# Altium PCB MEOWPOWER.PcbDoc
Units mm, origin at the board's own origin, x right, y up, seen from the top; angles counter-clockwise.
Board outline 100 x 100 mm, 2 copper layers (Top Layer, Bottom Layer), stack 1.135 mm thick; 58 components, 21 nets, 131 pads, 988 vias.
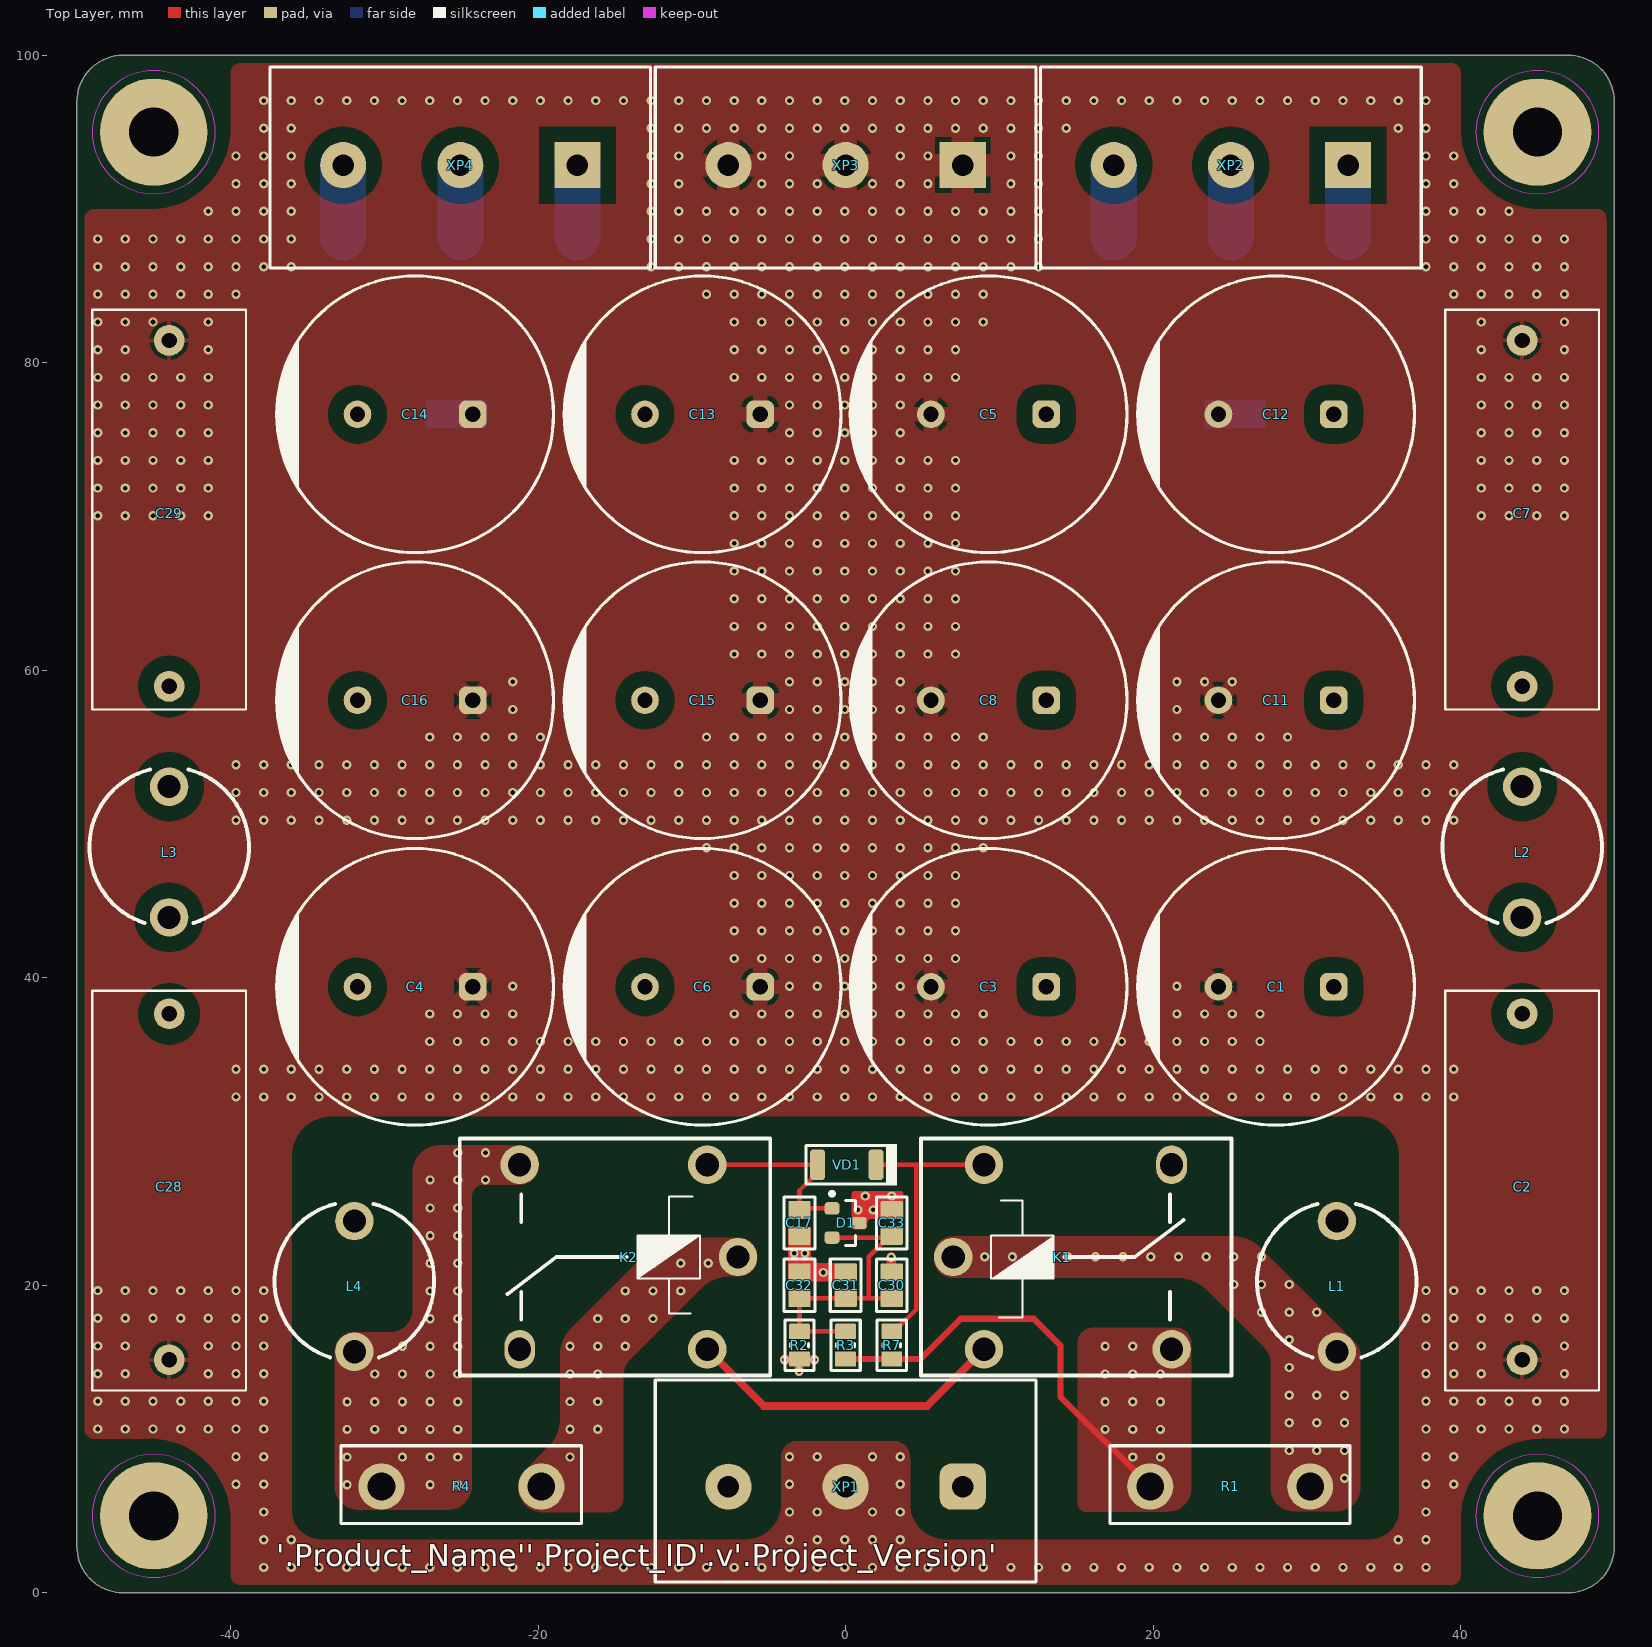
[diagram p0: Top Layer view]
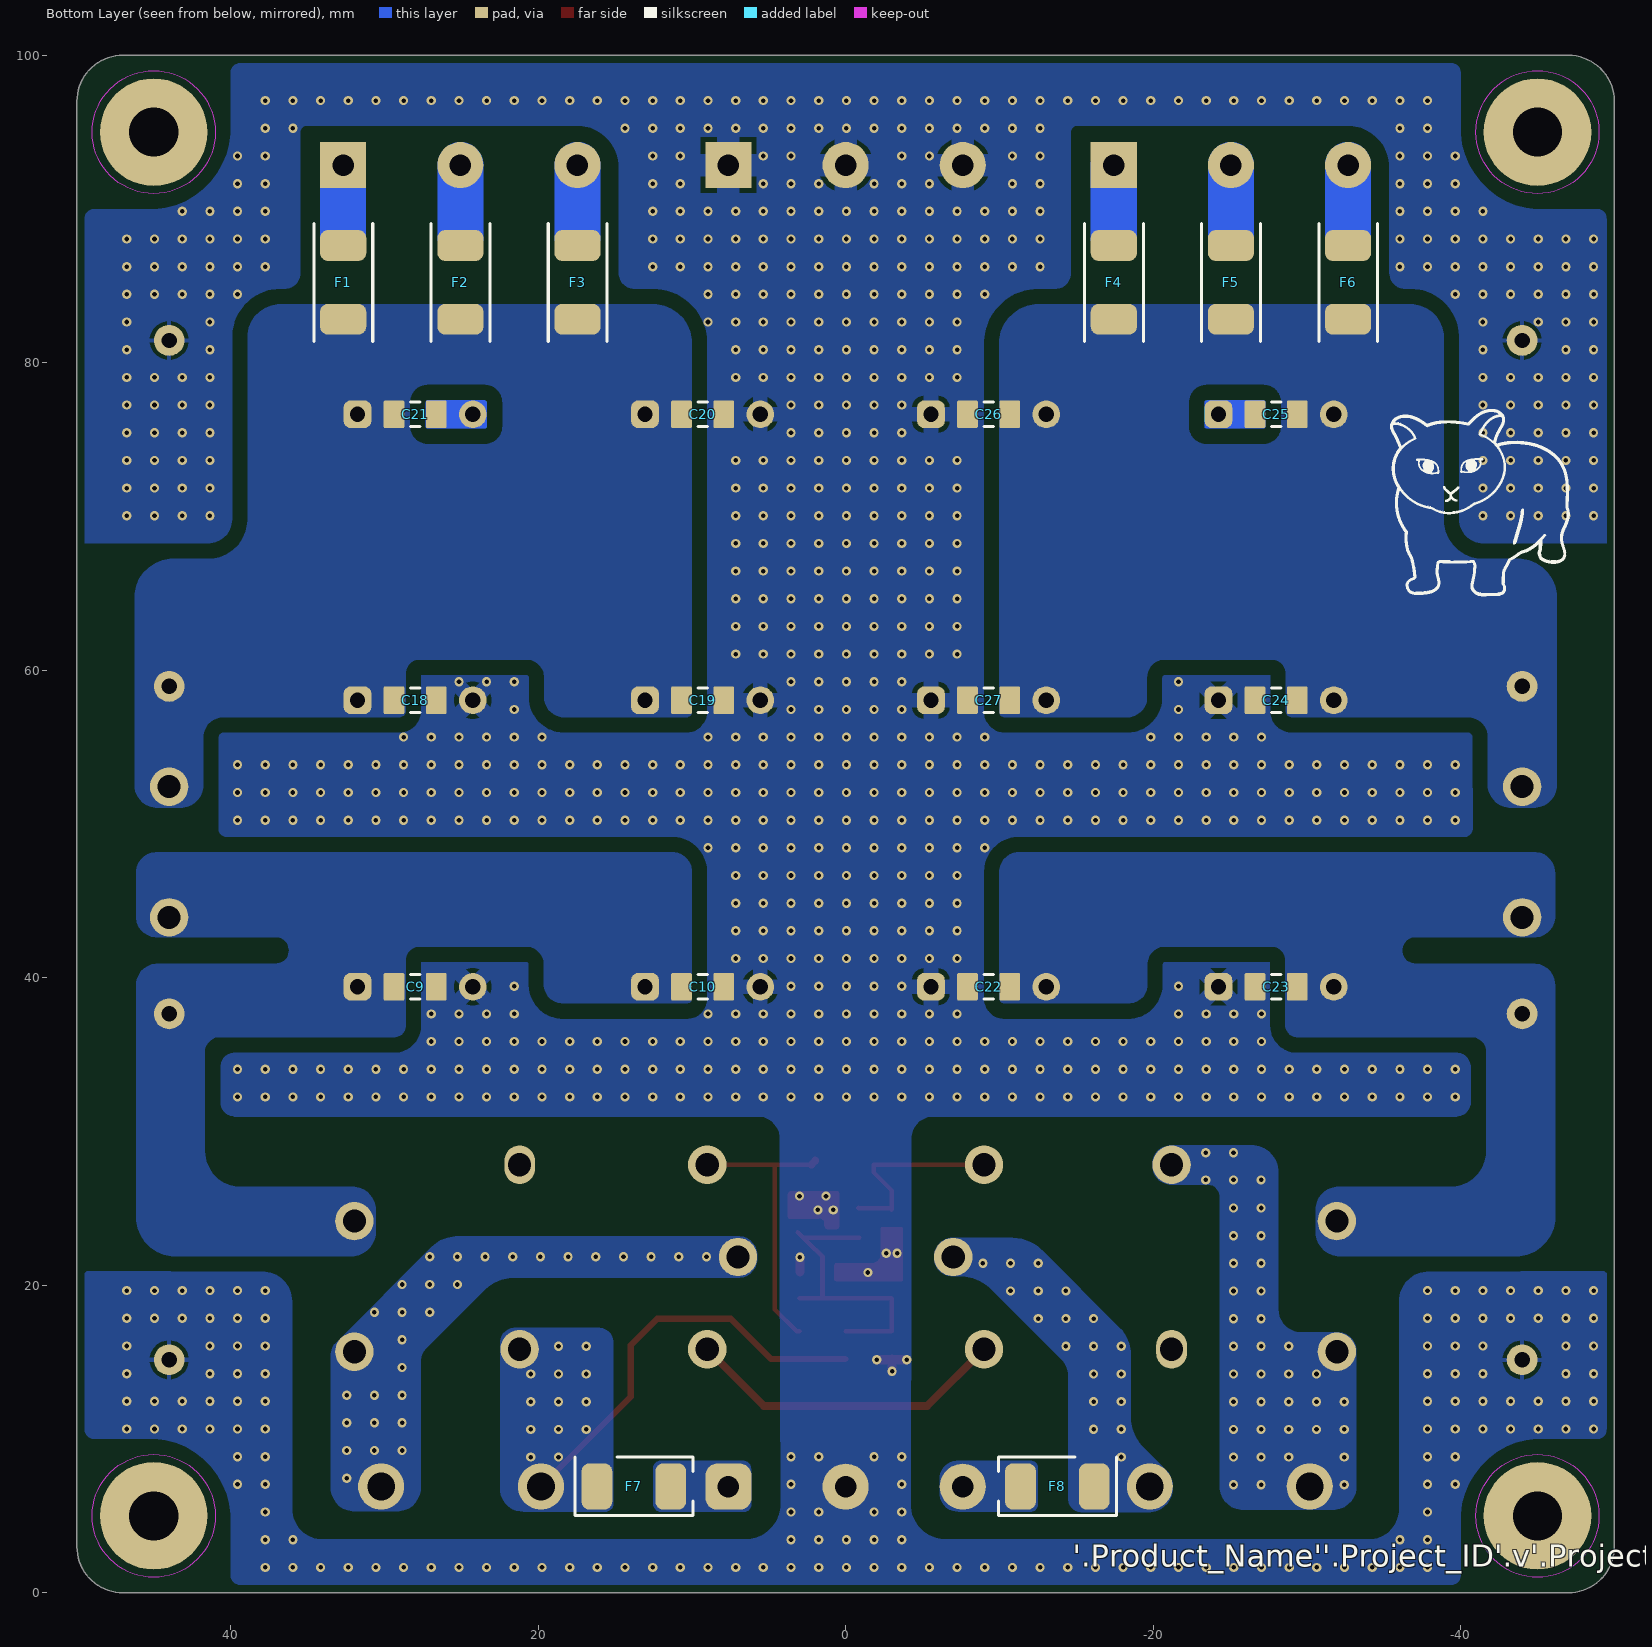
[diagram p1: Bottom Layer view, seen from below]

## Layer stack, top to bottom
Top Solder: solder mask 0.0102, Solder Resist, Dk 3.5
Top Layer: signal copper 0.035
Dielectric 1: dielectric 1.065, FR-4, Dk 4.8
Bottom Layer: signal copper 0.035
Bottom Solder: solder mask 0.0102, Solder Resist, Dk 3.5

## Board outline
-50,3 -50,97 cw(c-47,97) -47,100 47,100 cw(c47,97) 50,97 50,3 cw(c47,3) 47,0 -47,0 cw(c-47,3)

## Design rules (kind name [scope] priority, off if disabled: settings)
BoardOutlineClearance [All] p1: gap=0.5 ignorepadtopadclearanceinfootprint=FALSE
Clearance MiddleVoltage [InNetClass('MiddleVoltage')] p1: gap=0.5 ignorepadtopadclearanceinfootprint=FALSE except(0: Arc-Hole Track-Hole SMDPad-Hole THPad-Hole Via-Hole Fill-Hole Poly-Hole Region-Hole Text-Hole; 0.2: Arc-Text Track-Text SMDPad-Text THPad-Text Via-Text Fill-Text Poly-Text Region-Text Text-Text)
Clearance HighVoltage [InNetClass('HighVoltage')] p2: gap=1 ignorepadtopadclearanceinfootprint=FALSE except(0: Arc-Hole Track-Hole SMDPad-Hole THPad-Hole Via-Hole Fill-Hole Poly-Hole Region-Hole Text-Hole; 0.2: Arc-Text Track-Text SMDPad-Text THPad-Text Via-Text Fill-Text Poly-Text Region-Text Text-Text)
Clearance Standart [All] p3: gap=0.2 ignorepadtopadclearanceinfootprint=FALSE except(0: Arc-Hole Track-Hole SMDPad-Hole THPad-Hole Via-Hole Fill-Hole Poly-Hole Region-Hole Text-Hole)
ComponentClearance [All] p1: gap=0.1 collisioncheckmode=3 verticalgap=0.1 showdistances=TRUE
Height [All] p1: minheight=0 maxheight=40 prefheight=12.7
HoleSize [All] p1: absolutevalues=TRUE maxlimit=12 minlimit=0.3 maxpercent=80.000 minpercent=20.000
HoleToHoleClearance [All] p1: gap=0.3 allowstackedmicrovias=TRUE
MatchedLengths QSPI [InNetClass('QSPI')] p1: tolerance=0.1 checknetsindiffpair=FALSE checkdiffpairvsdiffpair=TRUE checkxsignals=TRUE checkothers=TRUE
MatchedLengths I2S4 [InNetClass('I2S4')] p2: tolerance=0.1 checknetsindiffpair=FALSE checkdiffpairvsdiffpair=TRUE checkxsignals=TRUE checkothers=TRUE
MatchedLengths I2S3 [InNetClass('I2S3')] p3: tolerance=0.1 checknetsindiffpair=FALSE checkdiffpairvsdiffpair=TRUE checkxsignals=TRUE checkothers=TRUE
MatchedLengths I2S2 [InNetClass('I2S2')] p4: tolerance=0.1 checknetsindiffpair=FALSE checkdiffpairvsdiffpair=TRUE checkxsignals=TRUE checkothers=TRUE
MatchedLengths I2S1 [InNetClass('I2S1')] p5: tolerance=0.1 checknetsindiffpair=FALSE checkdiffpairvsdiffpair=TRUE checkxsignals=TRUE checkothers=TRUE
MatchedLengths I2S0 [InNetClass('I2S0')] p6: tolerance=0.1 checknetsindiffpair=FALSE checkdiffpairvsdiffpair=TRUE checkxsignals=TRUE checkothers=TRUE
MinimumSolderMaskSliver [All] p1: minsoldermaskwidth=0.1
NetAntennae [All] p1: netantennaetolerance=2
PlaneClearance [All] p1: clearance=0.3
PlaneConnect PlaneConnectMiddleCurrent [InNetClass('MiddleCurrent')] p1: planeconnectstyle=Relief reliefexpansion=0.508 reliefentries=4 reliefconductorwidth=0.5 reliefairgap=0.3
PlaneConnect PlaneHighCurrent [InNetClass('HighCurrent')] p2: planeconnectstyle=Relief reliefexpansion=0.508 reliefentries=4 reliefconductorwidth=0.5 reliefairgap=0.35
PlaneConnect [All] p3: planeconnectstyle=Relief reliefexpansion=0.508 reliefentries=4 reliefconductorwidth=0.3 reliefairgap=0.3
PolygonConnect PolygonConnectMiddleCurrent [All vs InNetClass('MiddleCurrent')] p1: connectstyle=Relief reliefconductorwidth=0.4 reliefentries=4 polygonreliefangle="90 Angle" airgapwidth=0.3
PolygonConnect PolygonHighCurrent [InNetClass('HighCurrent')] p2: connectstyle=Relief reliefconductorwidth=0.5 reliefentries=4 polygonreliefangle="90 Angle" airgapwidth=0.3
PolygonConnect PolygonConnect_Keepout [(ObjectKind = 'Track') And (Layer = 'KeepOutLayer')] p3: connectstyle=Direct reliefconductorwidth=0.254 reliefentries=4 polygonreliefangle="90 Angle" airgapwidth=0.254
PolygonConnect PolygonConnect_Via [IsVia] p4: connectstyle=Direct reliefconductorwidth=0.254 reliefentries=4 polygonreliefangle="90 Angle" airgapwidth=0.254
PolygonConnect [All] p5: thpad.connectstyle=Relief thpad.reliefconductorwidth=0.3 thpad.reliefentries=4 thpad.polygonreliefangle="90 Angle" thpad.airgapwidth=0.25 smdpad.connectstyle=Relief smdpad.reliefconductorwidth=0.3 smdpad.reliefentries=4 smdpad.polygonreliefangle="90 Angle" smdpad.airgapwidth=0.25 via.connectstyle=Direct via.reliefconductorwidth=0.3 via.reliefentries=4 via.polygonreliefangle="90 Angle" via.airgapwidth=0.3
RoutingCorners [All] p1: cornerstyle=45-Degree minsetback=1 maxsetback=3
RoutingVias Power [InNetClass('Power')] p1: holewidth=0.8 width=1.5 viastyle="Through Hole" minholewidth=0.5 minwidth=1 maxholewidth=1.2 maxwidth=3
RoutingVias [All] p2: holewidth=0.4 width=0.6 viastyle="Through Hole" minholewidth=0.3 minwidth=0.3 maxholewidth=3 maxwidth=5
SilkToSilkClearance [All] p1: silktosilkclearance=0
SilkToSolderMaskClearance [IsPad] p1: minsilkscreentomaskgap=0.05 clearancetoexposedcopper=TRUE
SolderMaskExpansion SolderMaskExpansion_VIA [IsVia] p1: expansion=-3 istentingtop=TRUE useseparateexpansions=TRUE expansionbottom=-3 istentingbottom=TRUE
SolderMaskExpansion [All] p2: expansion=0.05 istentingtop=FALSE
SupplyNets "Schematic Supply Nets_6" [InNet('+VIN')] p1: voltage=0.000
SupplyNets "Schematic Supply Nets_5" [InNet('+VOUT')] p2: voltage=0.000
SupplyNets "Schematic Supply Nets_4" [InNet('PGND')] p3: voltage=0.000
SupplyNets "Schematic Supply Nets_3" [InNet('+V')] p4: voltage=0.000
SupplyNets "Schematic Supply Nets_2" [InNet('-VOUT')] p5: voltage=0.000
SupplyNets "Schematic Supply Nets_1" [InNet('-V')] p6: voltage=0.000
SupplyNets "Schematic Supply Nets" [InNet('-VIN')] p7: voltage=0.000
Width Width_ANT [InNetClass('Anthenna')] p1: maxlimit=1.641 minlimit=0.2 preferedwidth=1.641
Width WidthMiddleCurrent [InNetClass('MiddleCurrent')] p2: maxlimit=2 minlimit=0.35 preferedwidth=0.5
Width WidthHighCurrent [InNetClass('HighCurrent')] p3: maxlimit=5 minlimit=0.5 preferedwidth=1
Width Width_50_r [InNetClass('I2S0') or InNetClass('I2S1') or InNetClass('I2S2') or InNetClass('I2S3') or InNetClass('I2S4') or InNetClass('MCLK')] p4: maxlimit=0.389 minlimit=0.2 preferedwidth=0.51 impedanceprofiledriven=TRUE impedanceprofileid={838E95F1-A316-4909-9744-1A738FEB77C5} impedanceprofilevalue=50.000000 minimp=50.000000 maximp=50.000000 favimp=50.000000
19 further rules are at their usual default settings.

## Classes and differential pairs
net class HighVoltage: +V +VOUT -V -VOUT NetC1_1 NetC4_2 NetF1_2 NetF2_2 NetF3_2 NetF4_2 NetF5_2 NetF6_2 NetF7_1 NetF8_2

## Components (designator, comment, footprint, x,y, rotation, side; value= is the part's Value field where it differs from the comment)
C1 "1500uF" CAP-AE-PTH-180D05x400H20 28,39.411 r180 top
C2 "1uF" "CAP 25x10MM" 44,26.15 r270 top
C3 "1500uF" CAP-AE-PTH-180D05x400H20 9.3,39.411 r180 top
C4 "1500uF" CAP-AE-PTH-180D05x400H20 -28,39.411 r180 top
C5 "1500uF" CAP-AE-PTH-180D05x400H20 9.3,76.648 r180 top
C6 "1500uF" CAP-AE-PTH-180D05x400H20 -9.3,39.411 r180 top
C7 "1uF" "CAP 25x10MM" 44,70.45 r90 top
C8 "1500uF" CAP-AE-PTH-180D05x400H20 9.3,58.048 r180 top
C9 "0.1uF" C1206(3216) 28,39.411 r0 bottom
C10 "0.1uF" C1206(3216) 9.3,39.411 r0 bottom
C11 "1500uF" CAP-AE-PTH-180D05x400H20 28,58.048 r180 top
C12 "1500uF" CAP-AE-PTH-180D05x400H20 28,76.648 r180 top
C13 "1500uF" CAP-AE-PTH-180D05x400H20 -9.3,76.648 r180 top
C14 "1500uF" CAP-AE-PTH-180D05x400H20 -28,76.648 r180 top
C15 "1500uF" CAP-AE-PTH-180D05x400H20 -9.3,58.048 r180 top
C16 "1500uF" CAP-AE-PTH-180D05x400H20 -28,58.048 r180 top
C17 "0.1uF" C0805(2012) -3,24.049 r90 top
C18 "0.1uF" C1206(3216) 28,58.048 r180 bottom
C19 "0.1uF" C1206(3216) 9.3,58.048 r180 bottom
C20 "0.1uF" C1206(3216) 9.3,76.648 r180 bottom
C21 "0.1uF" C1206(3216) 28,76.648 r180 bottom
C22 "0.1uF" C1206(3216) -9.3,39.411 r0 bottom
C23 "0.1uF" C1206(3216) -28,39.411 r0 bottom
C24 "0.1uF" C1206(3216) -28,58.048 r180 bottom
C25 "0.1uF" C1206(3216) -28,76.648 r180 bottom
C26 "0.1uF" C1206(3216) -9.3,76.648 r180 bottom
C27 "0.1uF" C1206(3216) -9.3,58.048 r180 bottom
C28 "1uF" "CAP 25x10MM" -44,26.15 r270 top
C29 "1uF" "CAP 25x10MM" -44,70.45 r90 top
C30 "10uF" C0805(2012) 3,20 r270 top
C31 "10uF" C0805(2012) 0,20 r270 top
C32 "10uF" C0805(2012) -3,20 r270 top
C33 "10uF" C0805(2012) 3,24.049 r270 top
D1 "TL1431ACL3T" SOT-23 0,24.049 r270 top
F1 "10A" FUSE1808 32.68,85.225 r90 bottom
F2 "10A" FUSE1808 25.06,85.225 r90 bottom
F3 "10A" FUSE1808 17.44,85.225 r90 bottom
F4 "10A" FUSE1808 -17.44,85.225 r90 bottom
F5 "10A" FUSE1808 -25.06,85.225 r90 bottom
F6 "10A" FUSE1808 -32.68,85.225 r90 bottom
F7 "10A" FUSE1808 13.775,6.911 r0 bottom
F8 "10A" FUSE1808 -13.775,6.911 r0 bottom
K1 "LEG-12" Relay10A 15,21.835 r180 top
K2 "LEG-12" Relay10A -15,21.835 r0 top
L1 "20uH 10A" IND10x25x8.4 31.95,20.25 r90 top
L2 "20uH 10A" IND10x25x8.4 44,48.5 r90 top
L3 "20uH 10A" IND10x25x8.4 -44,48.5 r90 top
L4 "20uH 10A" IND10x25x8.4 -31.95,20.25 r90 top
R1 "10" RES_TO-247 25,6.911 r0 top locked
R2 "10 k" R0805 -3,16.099 r90 top
R3 "100 k" R0805 0,16.099 r270 top
R4 "10" RES_TO-247 -25,6.911 r0 top locked
R7 "150" R0805 3,16.099 r270 top
VD1 "1N4148" SOD-80 1.175,27.835 r180 top
XP1 "DG25H-B-03P-13-00AH" DG25H-B-03P#1 0,6.9 r180 top locked
XP2 "DG25H-B-03P-13-00AH" DG25H-B-03P#2 25.06,92.857 r180 top locked
XP3 "DG25H-B-03P-13-00AH" DG25H-B-03P#2 0,92.857 r180 top locked
XP4 "DG25H-B-03P-13-00AH" DG25H-B-03P#2 -25.06,92.857 r180 top locked

## Footprints (in the part's own frame and the unit in brackets; to place one, negate y for a bottom-side part, rotate by r counter-clockwise, add the part's x,y. Pads: shape width x height; smd on the part's side, far side on the other; paste and mask are expansions set on the pad)
C0805(2012) [mm]
  rrect15% 1.15x1.45 smd mask+0.05: 1(-0.85,0) 2(0.85,0)
  Top Layer pour cut-out: -0.05,0.651 0.05,0.651 0.05,-0.649 -0.05,-0.649
  silkscreen extent -1.7,-1 1.7,1, body extent -1.1,-0.72 1.1,0.73, height 0.75
C1206(3216) [mm]
  rrect15% 1.35x1.8 smd mask+0.05: 1(-1.375,0) 2(1.375,0)
  silkscreen extent -0.3,-0.8 0.3,0.8, body extent -1.6,-0.8 1.6,0.8, height 1
"CAP 25x10MM" [mm]
  round 2 hole 1: 1(11,0) 2(-11.5,0)
  silkscreen extent -13,-5 13,5, body extent -13,-5 13,5, height 22
CAP-AE-PTH-180D05x400H20 [mm] "PTH Aluminium Electrolytic Capacitor, Diameter 18mm, Height 40mm"
  rrect50% 1.8x1.8 hole 1: 1(-3.75,0)
  round 1.8 hole 1: 2(3.75,0)
  silkscreen extent -9,-9 9,9, body extent -9.25,-9.25 9.25,9.25, height 42.05
DG25H-B-03P#1 [mm]
  rrect50% 3x3 hole 1.4: 1(-7.62,0)
  round 3 hole 1.4: 2(0,0) 3(7.62,0)
  silkscreen extent -12.38,-6.95 12.38,6.2, body extent -12.18,-6.75 12.18,6.48, height 14.8
DG25H-B-03P#2 [mm]
  rect 3x3 hole 1.4: 1(-7.62,0)
  round 3 hole 1.4: 2(0,0) 3(7.62,0)
  silkscreen extent -12.38,-6.37 12.38,6.68, body extent -12.18,-6.75 12.18,6.48, height 14.8
FUSE1808 [mm]
  rrect50% 2x3 smd paste+0 mask+0.025: 1(-2.399,-0.002) 2(2.401,-0.002)
  silkscreen extent -3.84,-1.92 3.84,1.9, body extent -3.12,-1.37 3.12,1.37, height 2.75
IND10x25x8.4 [mm]
  round 2.5 hole 1.5: 1(-4.575,0) 2(3.925,0)
  silkscreen extent -4.94,-5.19 5.04,5.19, body extent -5.25,-5.25 5.25,5.25, height 25.6
R0805 [mm]
  rrect15% 1x1.35 smd: 1(-0.9,0) 2(0.9,0)
  silkscreen extent -1.65,-0.95 1.65,0.95, body extent -1.03,-0.62 0.97,0.63, height 0.47
Relay10A [mm]
  round 2.5 hole 1.5: 1(6,-6) 2(6,6) 3(-6.2,6) 4(8,0)
  oval 2x2.5 hole 1.5: 5(-6.2,-6)
  silkscreen extent -10.1,-7.7 10.1,7.7, body extent -9.85,-7.5 9.65,7.5, height 3.5
RES_TO-247 [mm]
  round 3 hole 1.8: 1(-5.188,0) 2(5.212,0)
  silkscreen extent -7.81,-2.4 7.81,2.65, body extent -7.81,-2.37 7.79,2.63, height 24.5
SOD-80 [mm]
  rrect50% 1x2 smd: 1(-0.8,0) 2(3,0)
  silkscreen extent -2.17,-1.35 3.75,1.35, body extent -0.78,-0.79 2.92,0.79, height 1.6
SOT-23 [mm] "SOT23, 3-Leads, Body 2.92x1.3mm, Pitch 1.9mm"
  rrect50% 0.802x0.972 smd: 1(-0.95,-0.885) 2(0.95,-0.885) 3(0,0.885)
  silkscreen extent -2.03,-1.01 1.46,0.64, body extent -1.5,-1.25 1.5,1.25, height 1.05

## Part data
C1 C3 C4 C5 C6 C8 C11 C12 C13 C14 C15 C16: library part "1500uF  50V 18x35", "1500uF 50V", Operation Temperature="-55°C ~ 125°C", Package/Case=18x35, Power (V/A)=50V, Tolerance=±10%, ComponentLink1Description=Datasheet, Library Path 1=Capacitors.SchLib, Name Component="Electrolytic capacitor", Part Number="1500uF  50V 18x35"
C2 C7 C28 C29: library part "1uF  275V 25x10", "MKP 1uF 275V", Operation Temperature="-55°C ~ 125°C", Package/Case=25x10, Power (V/A)=275V, Tolerance=±10%, ComponentLink1Description=Datasheet, Library Path 1=Capacitors.SchLib, Name Component="FILM CAP", Part Number="1uF  275V 25x10"
C9 C10 C18 C19 C20 C21 C22 C23 C24 C25 C26 C27: library part "0.1uF  50V С1206", "CAP CER 0.1UF 50V X7R 1206", Manufacturer="AVX Corporation", Manufacturer P/N=12065C104MYT4A, Operation Temperature="-55°C ~ 105°C", Package/Case=С1206, Power (V/A)=50V, Supplier Part Number 1=12065C104MYT4A-ND, Temperature Coefficient=X7R, Tolerance=±20%, ComponentLink1Description=Datasheet, ComponentLink1URL=http://catalogs.avx.com/SurfaceMount.pdf, Library Path 1=Capacitors.SchLib, Name Component="Capacitor Ceramic", Part Number="0.1uF  50V С1206", Supplier 1=Digi-key
C17: library part "0.1uF  50V C0805", "CAP CER 0.1UF 50V X7R 0805", Manufacturer="AVX Corporation", Manufacturer P/N=08055C104KAT2A, Operation Temperature="-55°C ~ 105°C", Package/Case=C0805, Power (V/A)=50V, Supplier Part Number 1=478-1395-2-ND, Temperature Coefficient=X7R, Tolerance=±10%, ComponentLink1Description=Datasheet, ComponentLink1URL=http://catalogs.avx.com/SurfaceMount.pdf, Library Path 1=Capacitors.SchLib, Name Component="Capacitor Ceramic", Notes="08055C104KAT4A,08055C104KAJ2A, 08055C104KAJ4A", Part Number="0.1uF  50V C0805", Supplier 1=Digi-key
C30 C31 C32 C33: library part "10uF  16V C0805", "CAP CER 10UF 16V X6S 0805", Manufacturer="Murata Electronics North America", Manufacturer P/N=GRM21BC81C106KA73L, Operation Temperature="-55°C ~ 105°C", Package/Case=C0805, Power (V/A)=16V, Supplier Part Number 1=490-5519-2-ND, Temperature Coefficient=X6S, Tolerance=±10%, ComponentLink1Description=Datasheet, ComponentLink1URL=https://www.murata.com/~/media/webrenewal/support/library/catalog/products/capacitor/mlcc/c02e.ashx?la=en-us, Library Path 1=Capacitors.SchLib, Name Component="Capacitor Ceramic", Part Number="10uF  16V C0805", Supplier 1=Digi-key
D1: "IC VREF SHUNT ADJ  ±0.25% SOT23-3", Manufacturer=STMicroelectronics, Operation Temperature="-40°C ~ 125°C (TA)", Package/Case=SOT-23-3, Power (V/A)="2.495V / ,36 V", Supplier Part Number 1=497-16122-2-ND, ComponentLink1Description=Datasheet, ComponentLink1URL=https://www.st.com/content/ccc/resource/technical/document/datasheet/43/6d/9e/69/31/63/4b/6e/CD00001246.pdf/files/CD00001246.pdf/jcr:content/translations/en.CD00001246.pdf, Library Path 1="Integrated Circuit.SchLib", Manufacturer P/N=TL1431ACL3T, Name Component="Voltage Reference", Part Number=TL1431ACL3T, Supplier 1=Digi-key
F1 F2 F3 F4 F5 F6 F7 F8: Package/Case=1808, Power (V/A)="10A 125V", Library Path 1=Others.SchLib, Name Component=Fuse, Part Number=10A
K1 K2: "General Purpose Relay, 1 Form C (1PDT), 12VDC 400Ohm Coil, 120VAC/24VDC @ 10A, 240VAC Max", Operation Temperature="-55°C ~ 125°C (TA)", Power (V/A)=12V, Supplier Part Number 1=Relay10A, ComponentLink1Description=Datasheet, ComponentLink1URL=https://www.tme.eu/Document/311affc211749c2a4c93ad074af62b72/LEG-SERIES.pdf, Library Path 1=Others.SchLib, Name Component=Relay, Part Number=LEG-12
L1 L2 L3 L4: "CASTOM", Operation Temperature="-40°C ~ 125°C", Power (V/A)=10A, Tolerance=±10, Library Path 1=Inductance.SchLib, Name Component=FILTRE, Part Number="20uH 10A"
R1 R4: library part "10  RES_TO-247", "Resistror 10 OHM  ±5% TO-247 100W", Operation Temperature="-55℃ to 155℃", Power Rating=100W, Temperature Coefficient="±200 ppm/°C", Tolerance=±5%, Library Path 1=Resistor.SchLib, Name Component=Resistror, Part Number="10  RES_TO-247"
R2: library part "10 k  R0805", "RES SMD 10 k OHM  ±1% 1/8W 0805", Operation Temperature="-55℃ to 155℃", Package/Case=0805, Power Rating=0.125W, Temperature Coefficient="±100 ppm/°C", Tolerance=±1%, Library Path 1=Resistor.SchLib, Name Component=Resistror, Part Number="10 k  R0805"
R3: library part "100 k  R0805", "RES SMD 100 k OHM  ±1% 1/8W 0805", Operation Temperature="-55℃ to 155℃", Package/Case=0805, Power Rating=0.125W, Temperature Coefficient="±100 ppm/°C", Tolerance=±1%, Library Path 1=Resistor.SchLib, Name Component=Resistror, Part Number="100 k  R0805"
R7: library part "150  R0805", "RES SMD 150 OHM  ±1% 1/8W 0805", Operation Temperature="-55℃ to 155℃", Package/Case=0805, Power Rating=0.125W, Temperature Coefficient="±100 ppm/°C", Tolerance=±1%, Library Path 1=Resistor.SchLib, Name Component=Resistror, Part Number="150  R0805"
VD1: "DIODE GEN PURP 75V 250MA SOD323", Manufacturer="Diodes Incorporated", Operation Temperature="-55°C ~ 150°C", Package/Case=SOD-80, Power Rating="75V 250mA", ComponentLink1Description=Datasheet, Library Path 1=Diodes.SchLib, Manufacturer P/N=1N4148, Name Component=Diode, Part Number=1N4148, Supplier 1=Digi-key, Supplier Part Number 1=1N4148
XP1 XP2 XP3 XP4: "3PIN 7.62mm 300V 15 A  7-30 AWG", Operation Temperature="-65°C ~ 125°C", Package/Case="7,62 mm", Power (V/A)="300V 15 A", ComponentLink1Description=Datasheet, ComponentLink1URL=https://www.rcscomponents.kiev.ua/datasheets/DG25H-B-XXP-1Y-00A%28H%29.Jpg, Library Path 1=Connectors.SchLib, Name Component="Power Connectors", Part Number=DG25H-B-03P-13-00AH, Supplier 1=RCS

## Free pads (board coordinates)
  round 7 hole 3.2: MH(-45,5) MH(-45,95) MH(45,5) MH(45,95)

## Via types
v1: diameter 0.6, hole 0.3, Top Layer to Bottom Layer, tented both sides, 988 vias
